# KiCad board ChunkyV2.kicad_pcb (continued)
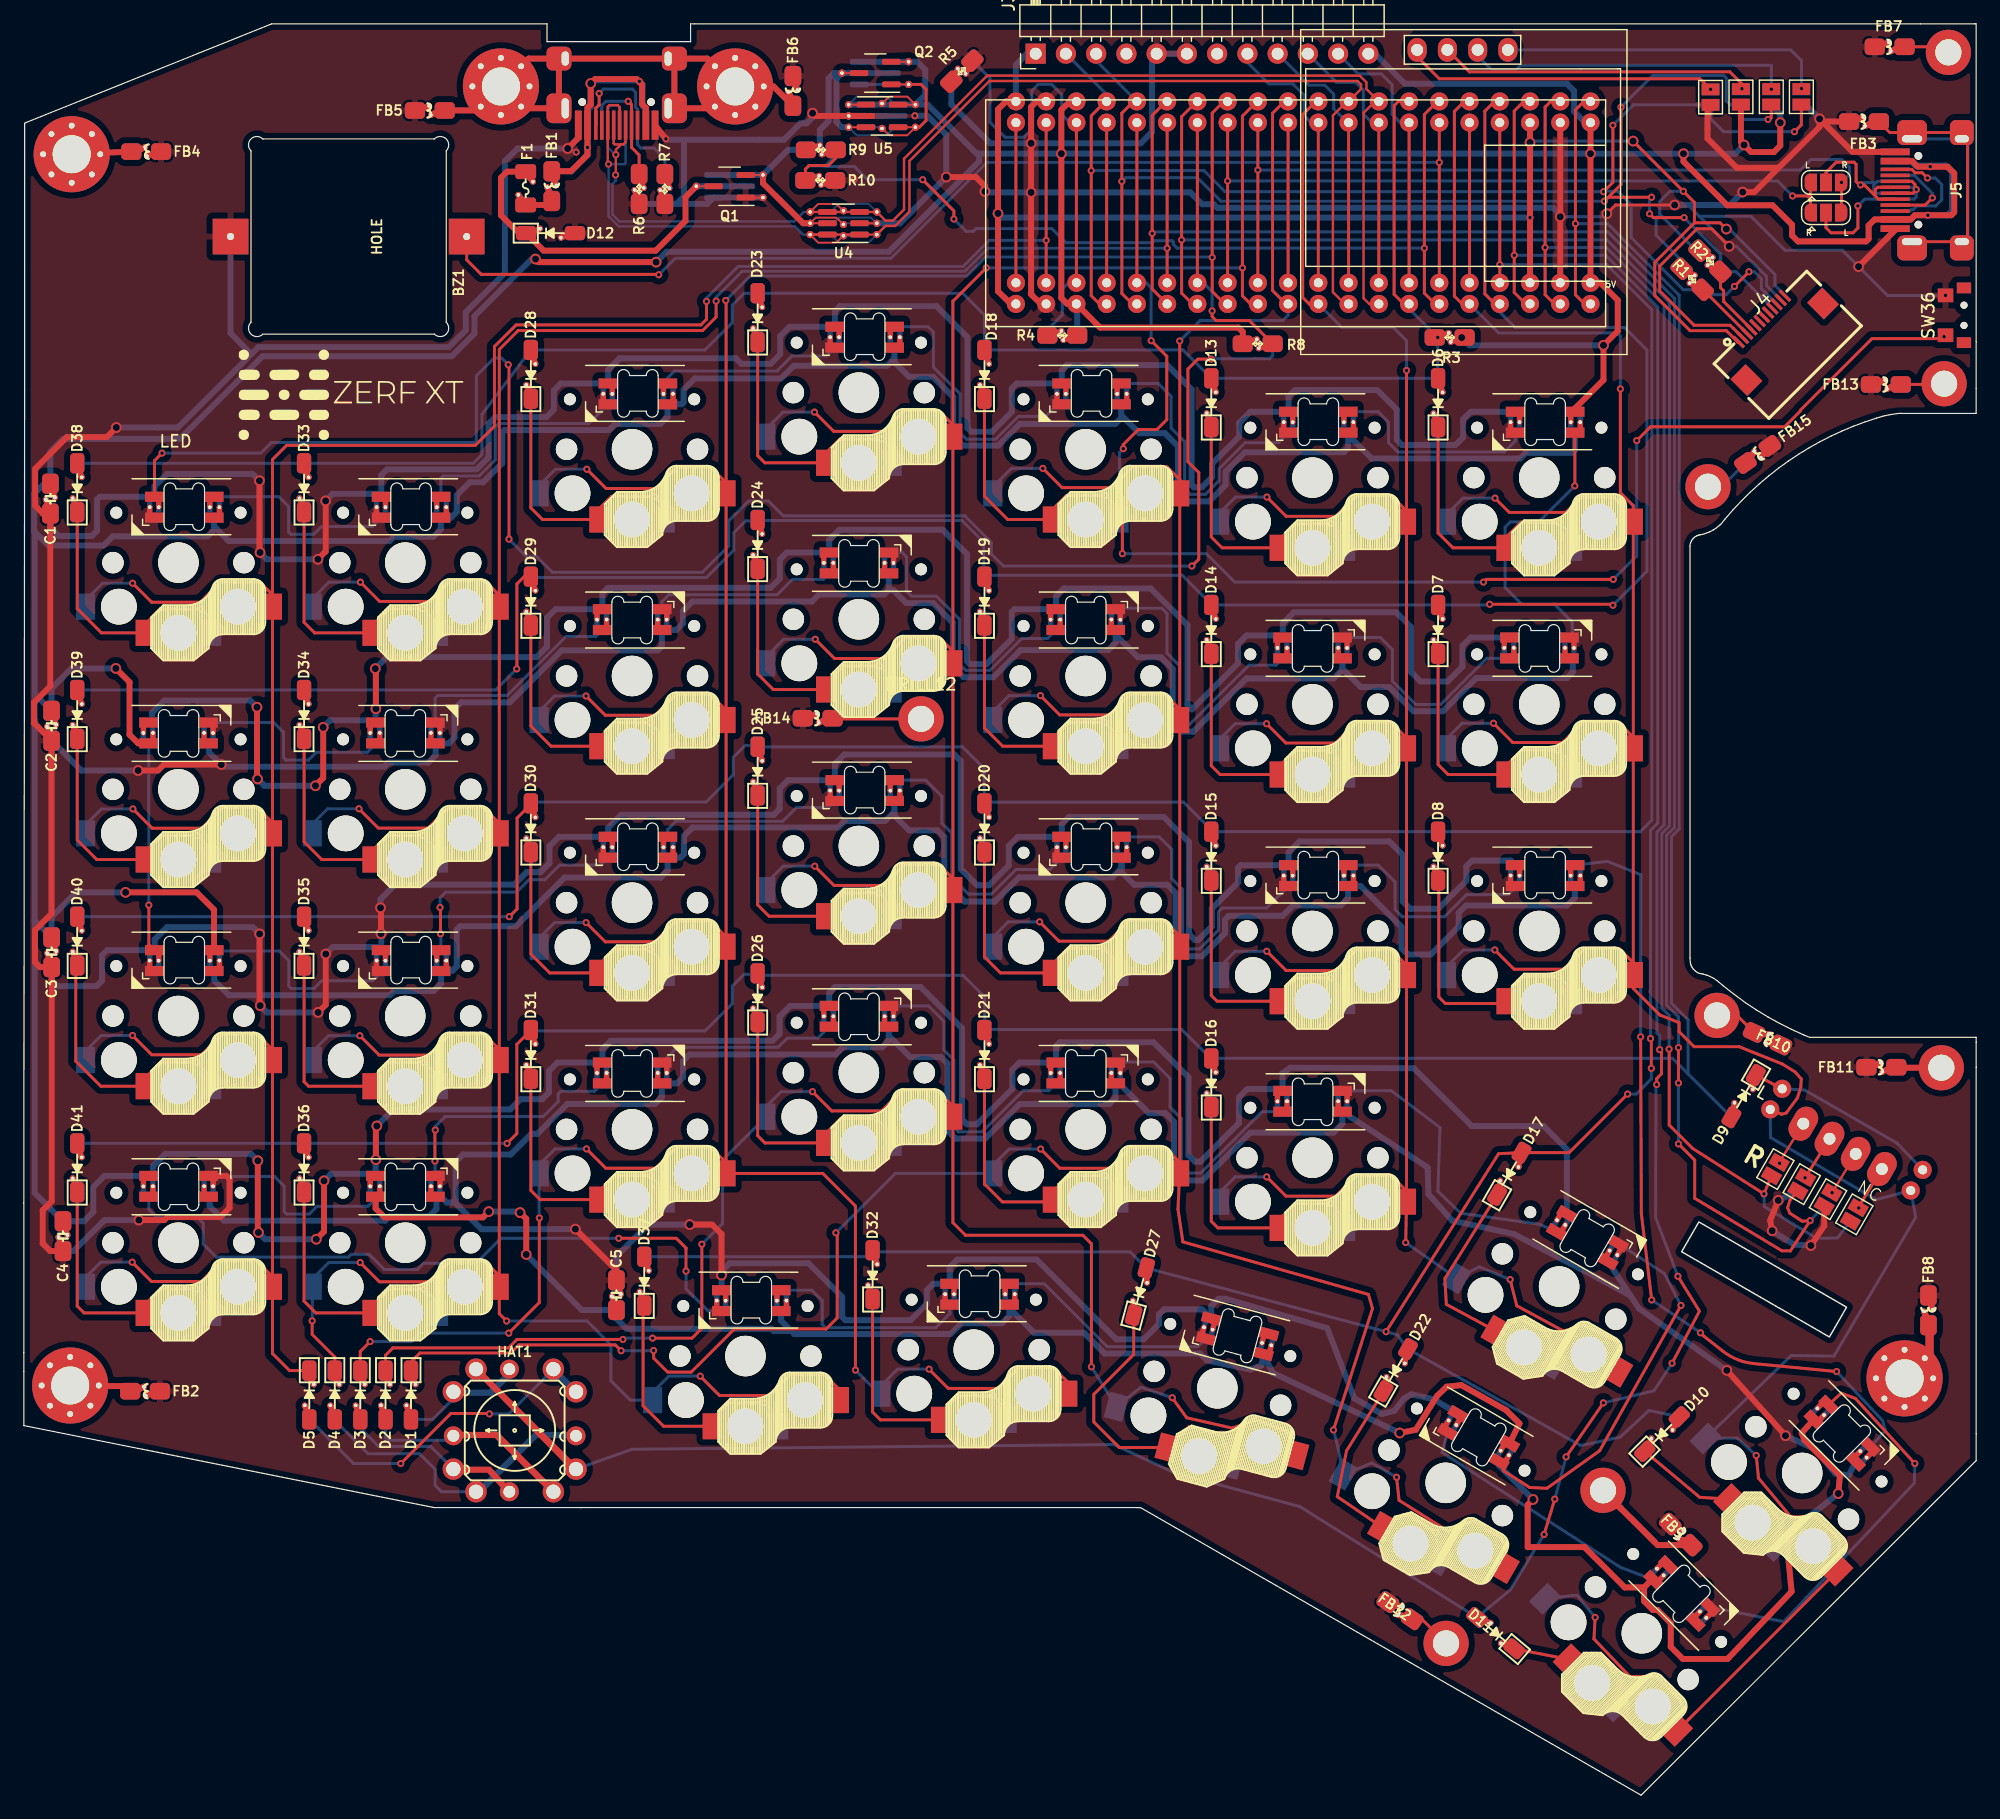
[diagram p0: board, top side]
## Routing (per net, layer and track width the routed paths; a pad name or vN(x,y) marks a point on that pad's centre or on a via; arc(x,y) is an arc through that point) (continued)
DD1: length 17.1
  Top w0.25: 155.5,134.4 155.5,134.92 155.7,135.12 J5.A7 ; JP25.2 151.37,136.37 152.23,137.23 153.72,137.23 153.9,137.05 153.9,135.6 154.18,135.32 v2(154.27,135.32) 154.58,135.32 155.78,134.12 J5.B7
  Bottom w0.25: v2(154.27,135.32) 154.47,135.52 155.57,135.52 ; J5.B7 155.68,135.62 155.57,135.52 ; 155.57,135.52 155.38,135.32 155.38,134.82 155.58,134.62 J5.A7
DD2: length 17.9
  Top w0.25: JP26.2 151.37,131.72 151.8,131.29 153.64,131.29 154.05,131.7 v2(154.05,133.55) ; J5.B6 158.59,135.62 158.85,135.36 158.85,134.79 158.68,134.62 J5.A6
  Bottom w0.25: v2(154.05,133.55) 154.62,134.12 J5.B6 158.77,134.12 158.95,134.3 v2(158.95,134.93) 158.76,135.12 J5.A6
ENCA: length 152.5
  Top w0.25: U3.14 98.15,125.32 97.25,126.23 v2(97.25,130.7) 97.25,141.06 98.52,142.34 U3.14 ; JP20.2 v2(146.16,50.53) 140.18,54.34 138.2,56.32 138.2,62.69 v2(138.19,62.7)
  Bottom w0.25: v2(146.16,50.53) 146.19,49.46 150.6,46.79 152.33,46.83 JP19.2 ; v2(97.25,130.7) 132.97,130.7 138.23,125.44 138.23,81.46 137.58,80.81 137.58,66.15 138.19,65.54 v2(138.19,62.7)
ENCB: length 159.3
  Top w0.25: 149,50.79 148.35,50.01 148.14,49.36 148.34,48.9 149.38,48.23 v2(150.04,48.28) 148.38,45.74 147.68,45.74 140.34,50.16 140.34,53.37 v2(138.98,54.73) ; U3.15 94.78,126.57 v2(94.78,131.25) 94.78,141.16 95.95,142.34 U3.15 ; v2(138.98,62.82) v2(138.98,59.85)
  Bottom w0.25: v2(94.78,131.25) 94.9,131.37 133.05,131.37 138.64,125.78 138.64,81.33 137.98,80.67 137.98,66.4 138.98,65.4 v2(138.98,62.82) ; JP22.2 v2(150.04,48.28) ; v2(138.98,54.73) v2(138.98,59.85)
LED: length 168.5
  Top w0.25: R8.1 102.94,123.92 100.14,123.92 99.81,124.25 v2(99.81,124.73) ; v2(40.75,105.55) 40.75,120.15 v2(40.69,120.21) ; U3.27 U3.27 ; v2(98.11,103.29) 98.69,103.87 98.69,111.15 97.78,112.06 97.78,119.85 98.61,120.68 v2(99.73,120.68) ; v2(11.61,112.78) 10.98,112.15 SW32.4
  Bottom w0.25: v2(40.75,105.55) 42.23,104.07 43.09,104.07 44.39,102.77 57,102.77 59.21,104.98 59.21,107.09 60.87,108.75 62.55,108.75 63.79,107.51 79.03,107.51 81.26,105.28 81.26,104.31 82.28,103.29 v2(98.11,103.29) ; v2(11.61,112.78) 19.91,112.78 20.8,113.67 38.01,113.67 38.01,119.27 39.51,120.77 40.13,120.77 v2(40.69,120.21) ; R8.1 104.89,120.97 104.63,120.71 99.76,120.71 v2(99.73,120.68) ; U3.27 99.07,127.1 99.81,126.35 v2(99.81,124.73)
M: length 3.8
  Top w0.25: SW5.A JP23.1
  vias: v2(154.12,49.35)
MISO: length 22.5
  Top w0.25: U3.32 U3.32
  Bottom w0.25: U3.32 111.17,140.56 110.02,141.71 110.02,142.95 109.27,143.7 107.96,143.7 J3.9
MOSI: length 23
  Top w0.25: U3.33 U3.33
  Bottom w0.25: U3.33 113.23,140.56 112.51,141.28 112.51,143.29 111.85,143.95 110.25,143.95 J3.10
N: length 3.8
  Top w0.2: SW5.B v2(151.88,50.63)
O: length 3.9
  Top w0.25: SW5.C v2(149.61,51.88)
P: length 3.8
  Top w0.2: SW5.D JP20.1
  vias: v2(147.47,53.1)
PLUG: length 81.4
  Top w0.25: R9.2 68.2,137.58 67.57,136.95 65.95,136.95 65.64,136.64 R10.1 ; U3.6 118.73,142.34 117.63,141.24 v2(117.63,130) 117.63,126.23 118.54,125.32 U3.6 ; v2(75.5,135.76) 78.12,133.14 v2(78.12,132.45)
  Bottom w0.25: 67.29,136.92 67.34,136.87 69.75,136.87 70.86,135.76 v2(75.5,135.76) ; 67.29,136.92 68.2,137.82 R9.2 ; 67.29,136.92 65.94,136.92 65.64,136.63 R10.1 ; v2(117.63,130) 96.87,130 96.55,130.32 96.55,130.54 96.45,130.64 94.96,130.64 94.78,130.46 87.53,130.46 86.34,131.65 79.98,131.65 79.75,131.42 79.15,131.42 v2(78.12,132.45)
RESET: length 124.8
  Top w0.25: v2(94.69,122.23) 96,120.92 96,115.59 95.17,114.76 93.61,114.76 92.35,113.5 v2(92.35,113.15) ; v2(133.5,102.17) 122.83,102.17 v2(122.6,101.94) ; U3.25 U3.25 ; v2(92.27,104.33) 92.27,109.05 v2(92.03,109.29) ; v2(135.47,113.83) 136.63,114.99 147.89,114.99 149.22,116.32 149.22,116.39 155.23,122.4 161.12,122.4 v2(161.29,122.56) SW36.2
  Bottom w0.25: U3.25 94.27,127.1 94.69,126.67 v2(94.69,122.23) ; v2(135.47,113.83) 135.47,104.14 v2(133.5,102.17) ; v2(122.6,101.94) 101.71,101.94 99.32,104.33 v2(92.27,104.33) ; v2(92.03,109.29) 92.03,112.83 v2(92.35,113.15)
row0: length 154.3
  Top w0.25: U3.7 115.9,125.32 115.09,126.13 115.09,141.99 115.45,142.34 U3.7
  Bottom w0.25: D38.2 D33.2 37.75,111.93 38.48,112.66 38.48,116.04 D28.2 57.21,121.45 59.51,123.75 59.51,125.22 60.51,126.22 D23.2 78.85,126.22 80.69,124.38 D18.2 97.36,121.45 D13.2 D6.2 118.76,119.1 v2(118.76,122.5) 116.35,124.91 U3.7
row1: length 200.2
  Top w0.25: 41.42,94.66 41.42,101.79 42.03,102.4 D29.2 ; U3.4 123.53,142.34 122.72,141.52 122.72,126.17 123.56,125.32 U3.4 ; v2(123.12,100.08) 133.39,100.08 v2(133.47,100)
  Bottom w0.25: U3.4 123.97,124.63 125.26,123.34 134.44,123.34 136.33,121.45 136.33,102.86 v2(133.47,100) ; 61.58,107.12 78.8,107.12 80.63,105.29 80.63,102.36 ; 42.71,102.33 57.34,102.33 59.63,104.62 59.63,106.09 60.63,107.09 61.76,107.09 ; 99.67,100.14 97.29,102.52 80.62,102.52 ; D14.2 D7.2 123.06,100.02 v2(123.12,100.08) ; D39.2 D34.2 39.64,92.88 39.67,92.92 39.67,92.93 v2(41.4,94.65)
row2: length 219.3
  Top w0.25: U3.37 v2(123.97,128.61) U3.37 ; v2(40.78,73.83) 41.43,74.48 41.43,82.11 42.59,83.27 D30.2
  Bottom w0.25: D40.2 D35.2 v2(40.78,73.83) ; 80.74,83.45 97.41,83.45 99.79,81.07 ; v2(123.97,128.61) 132.96,128.61 136.74,124.83 136.74,81.94 135.77,80.97 D8.2 D15.2 ; 61.62,88.09 78.84,88.09 80.67,86.26 80.67,83.33 ; 61.72,88.22 60.59,88.22 59.59,87.22 59.59,85.75 57.3,83.46 42.67,83.46
row3: length 253
  Top w0.25: D31.2 42.59,64.28 41.41,63.1 41.41,55.6 v2(40.59,54.78) ; U3.1 131.03,142.34 130.32,141.63 v2(130.32,132.07) 130.32,126.09 131.09,125.32 U3.1
  Bottom w0.25: D9.2 138.47,61.92 D16.2 ; 139.05,81.2 138.39,80.54 138.39,66.55 139.79,65.16 139.79,60.61 ; D41.2 D36.2 v2(40.59,54.78) ; 61.64,68.99 60.51,68.99 59.51,67.99 59.51,66.52 57.22,64.23 42.59,64.23 ; v2(130.32,132.07) 133.01,132.07 139.04,126.04 139.04,81.19 ; 99.64,61.96 97.26,64.34 80.59,64.34 ; 61.66,68.9 78.88,68.9 80.71,67.07 80.71,64.14
row4: length 223
  Top w0.25: U3.3 125.99,142.34 125.19,141.53 v2(125.19,129.41) 125.19,126.28 126.14,125.32 U3.3 ; v2(136.7,61.08) 136.7,63.52 v2(136.63,63.59) ; v2(114.42,38.95) 123.87,53.91 D17.2 129.79,54 v2(134.71,58.92)
  Bottom w0.25: v2(134.71,58.92) 135.43,58.92 136.7,60.19 v2(136.7,61.08) ; D37.2 70.75,45.25 D32.2 71.42,45.66 92.92,45.66 D27.2 v2(114.42,38.95) 115.35,38.7 D22.2 130.77,29.38 134.08,30.09 136.5,32.33 D10.2 ; v2(125.19,129.41) 132.87,129.41 137.24,125.03 137.24,81.7 136.63,81.09 v2(136.63,63.59)
row5: length 229.8
  Top w0.25: v2(127.69,21.91) v2(128.59,24.88) ; U3.2 128.24,142.34 127.78,141.87 v2(127.78,130.06) 127.78,126.1 128.55,125.32 U3.2 ; v2(129.54,28.43) v2(132.67,32.97) ; v2(137.15,59.72) 137.15,60.22 137.55,60.62 137.55,62.5 v2(137.4,62.65) ; v2(138.93,43.61) 140.74,40.68 v2(138.44,36.3)
  Bottom w0.25: v2(127.69,21.91) 124.84,17.25 D11.2 107.18,24.25 96.53,27.14 91.54,29.47 51.08,29.07 HAT1.4 ; v2(137.4,62.65) 137.4,63.82 137.17,64.05 137.17,80.94 137.77,81.54 137.77,125.21 132.93,130.06 v2(127.78,130.06) ; v2(138.93,43.61) 137.06,48.54 137.09,57.27 137.09,59.66 v2(137.15,59.72) ; v2(128.59,24.88) v2(129.54,28.43) ; v2(138.44,36.3) 136.93,33.99 v2(132.67,32.97)
SCK: length 23.3
  Top w0.25: U3.31 U3.31
  Bottom w0.25: J3.8 102.77,145.61 104.57,143.81 106.58,143.81 107.54,142.85 107.54,141.15 108.13,140.56 U3.31
SCL: length 117.5
  Top w0.25: v2(134.15,141.85) 134.15,135.35 v2(132.75,133.95) ; JP6.2 146.78,140.96 146.64,140.82 v2(146.5,140.82) ; U3.16 93.1,125.32 92.22,126.2 v2(92.22,135.62) 92.22,141.35 93.21,142.34 U3.16 ; 145.1,123.17 145.1,123.19 142.77,125.52 142.77,126.42 142.51,126.68 R2.1 ; v2(136.72,134.28) 133.08,134.28 ; v2(139.45,132.57) 136.88,132.57 v2(136.55,132.9)
  Bottom w0.25: v2(132.75,133.95) 100.54,133.95 98.57,135.92 92.53,135.92 v2(92.22,135.62) ; J3.3 90.07,145.76 U3.16 ; v2(136.55,132.9) 136.55,134.11 v2(136.72,134.28) ; v2(134.15,141.85) 136.81,144.51 142.78,144.51 142.99,144.3 142.99,142.38 143.32,142.05 JP3.2 144.19,141.05 144.42,140.82 v2(146.5,140.82) ; 146.92,124.92 143.81,128.03 R2.1 142.51,129.51 v2(139.45,132.57)
SDA: length 121.2
  Top w0.25: R1.1 141.05,126.52 144.75,122.82 ; U3.17 90.34,125.32 89.66,126.01 89.66,141.13 90.86,142.34 U3.17 ; v2(143.68,126.79) 143.68,126.8 v2(144.9,128.02) ; v2(132.69,134.75) 133.47,135.53 v2(133.47,140.33) ; JP5.2 149.3,140.37 v2(148.72,139.79)
  Bottom w0.25: U3.17 90.95,142.93 J3.2 ; v2(143.68,126.79) 142.98,126.09 141.43,126.09 R1.1 139.38,126.52 135,130.9 135,133.67 133.87,134.79 132.73,134.79 v2(132.69,134.75) 100.89,134.75 99.12,136.53 v2(89.66,136.53) ; 147.27,125.27 145.94,126.61 145.94,127.44 145.36,128.02 v2(144.9,128.02) ; v2(148.72,139.79) 142.76,139.79 141.66,140.89 JP4.2 135.19,142.05 v2(133.47,140.33)
SHIELD: length 52.5
  Top w0.5: DRILL5.1 57.91,141.76 USB1.S1 USB1.S1 USB1.S1 ; DRILL5.1 57.41,145.94 USB1.S1 ; DRILL5.1 62.97,143.6 FB6.1 ; FB5.1 38.06,141.58 DRILL4.1 ; DRILL4.1 42.42,145.94 44.94,145.94 44.94,141.76 41.92,141.76 DRILL4.1
SPLIT_HAND: length 38.9
  Top w0.25: U3.23 U3.23
  Bottom w0.25: U3.23 87.86,140.56 87.18,141.25 87.18,142.92 86.32,143.77 85.2,143.77 84.68,143.25 84.68,140.02 83.97,139.32 82.43,139.32 81.15,140.59 81.15,144.28 79.67,145.76 ; R4.2 85.97,123.14 87.22,124.4 87.22,126.57 87.75,127.1 U3.23
USART3_RX: length 67.9
  Top w0.25: v2(152.67,135.53) JP26.3 ; U3.29 v2(103.65,136.57) U3.29
  Bottom w0.25: v2(103.65,136.57) 149.22,136.57 150.1,137.45 152.7,137.45 153.34,136.81 153.34,136.2 v2(152.67,135.53)
USART3_TX: length 65.6
  Top w0.25: U3.28 v2(101.11,135.65) U3.28 ; 150.07,134.14 149.82,134.39 v2(148.56,134.39) ; 150.07,134.14 JP25.1 ; 150.07,134.14 JP26.1
  Bottom w0.25: v2(101.11,135.65) 147.3,135.65 v2(148.56,134.39)
V_USB: length 35.7
  Top w0.5: FB1.2 45.96,136.47 47.34,137.86 v2(47.34,138.47) USB1.A4 47.34,141.81 47.62,142.09 47.62,142.09 v1(47.62,143.84) 48,144.22 51.47,144.22 51.92,143.76 51.92,142.13 52.25,141.81 USB1.A4
  Bottom w0.5: USB1.A4 52.25,141.7 51.97,141.97 51.97,143.76 v2(51.7,144.03) 51.62,144.11 47.89,144.11 v1(47.62,143.84) 47.61,143.82 47.61,141.86 47.34,141.6 USB1.A4 v2(47.34,138.47) 47.34,137.82 46,136.47 FB1.2
Net-(D1-Pad2): length 4.9
  Bottom w0.25: HAT1.1 36.08,33.32 34.34,31.58 D1.2
Net-(D2-Pad2): length 7.5
  Bottom w0.25: D2.2 30.38,30.07 30.62,29.83 35.71,29.83 HAT1.2
Net-(D3-Pad2): length 10
  Bottom w0.25: HAT1.3 34.17,29.31 29.8,29.31 28.26,30.85 D3.2
Net-(D4-Pad2): length 15.2
  Bottom w0.25: D4.2 26.12,31.49 28.91,28.7 33.23,28.7 34.55,27.38 34.55,26.03 35.08,25.5 HAT1.5
Net-(D5-Pad2): length 25.4
  Top w0.25: v2(31.66,27.87) 35.87,32.08 39.07,32.08 v2(39.11,32.04)
  Bottom w0.25: v2(31.66,27.87) 27.69,27.87 D5.2 ; HAT1.6 40.72,32.04 v2(39.11,32.04)
Net-(D6-Pad1): length 23.6
  Top w0.25: D6.1 118.79,106.07 120.04,104.82 SW1.5 124.49,105.71 125.75,106.97 v2(128.96,106.97)
  Bottom w0.25: SW1.5 130.09,105.84 v2(128.96,106.97)
Net-(D7-Pad1): length 23.5
  Top w0.25: 124.47,85.81 124.47,86.48 125.83,87.84 v2(128.82,87.84) ; SW2.5 119.63,85.77 118.79,86.61 D7.1
  Bottom w0.25: v2(128.82,87.84) 130.07,86.59 130.07,85.81
Net-(D8-Pad1): length 23.9
  Top w0.25: D8.1 118.85,76.81 118.85,67.08 119.4,66.53 124.3,66.53 SW3.5 ; v2(128.93,68.79) 125.94,68.79 124.58,67.43 124.58,66.76
  Bottom w0.25: v2(128.93,68.79) 130.18,67.54 130.18,66.76
Net-(D9-Pad1): length 16.4
  Top w0.25: SW5.S1 D9.1
  Bottom w0.25: SW5.S1 149.57,59.26 157.33,54.8 SW5.S1
Net-(D10-Pad1): length 15.9
  Top w0.25: D10.1 140.77,25.03 SW4.5 145.99,24.97 v2(147.55,23.05)
  Bottom w0.25: SW4.5 v2(147.55,23.05)
Net-(D11-Pad1): length 12.4
  Top w0.25: v2(133.53,10.53) 132.45,11.74 131.69,11.74 SW6.5 D11.1
  Bottom w0.25: SW6.5 134.24,9.56 v2(133.53,10.53)
Net-(D13-Pad1): length 23.4
  Top w0.25: D13.1 99.74,105.73 100.65,104.82 SW7.5 105.44,105.49 106.8,106.85 v2(109.79,106.85)
  Bottom w0.25: v2(109.79,106.85) 111.04,105.6 SW7.5
Net-(D14-Pad1): length 23.5
  Top w0.25: SW8.5 100.48,85.77 99.74,86.51 D14.1 ; 105.41,85.77 105.41,86.44 106.77,87.8 v2(109.76,87.8)
  Bottom w0.25: v2(109.76,87.8) 111.01,86.55 111.01,85.77
Net-(D15-Pad1): length 23.7
  Top w0.25: SW9.5 100.23,66.72 99.74,67.21 D15.1 ; 105.43,66.65 105.43,67.32 106.79,68.68 v2(109.78,68.68)
  Bottom w0.25: v2(109.78,68.68) 111.03,67.43 111.03,66.65
Net-(D16-Pad1): length 24
  Top w0.25: v2(109.77,49.72) 106.78,49.72 105.42,48.36 105.42,47.69 ; SW10.5 100.3,47.67 99.74,48.23 D16.1
  Bottom w0.25: v2(109.77,49.72) 111.02,48.47 111.02,47.69
Net-(D17-Pad1): length 22.7
  Top w0.25: D17.1 119.36,43.41 119.48,41.25 SW11.5 125.66,40.01 v2(128.03,38.81)
  Bottom w0.25: v2(128.03,38.81) SW11.5
Net-(D18-Pad1): length 23
  Top w0.25: D18.1 80.69,109.15 82.64,107.2 SW12.5 86.39,108.03 87.59,109.23 v2(90.85,109.23)
  Bottom w0.25: SW12.5 91.99,108.09 v2(90.85,109.23)
Net-(D19-Pad1): length 23.1
  Top w0.25: v2(90.77,90.16) 87.78,90.16 86.42,88.8 86.42,88.13 ; SW13.5 82.22,88.15 80.69,89.68 D19.1
  Bottom w0.25: v2(90.77,90.16) 92.02,88.91 92.02,88.13
Net-(D20-Pad1): length 23.2
  Top w0.25: 86.35,69.12 86.35,69.79 87.71,71.15 v2(90.7,71.15) ; SW14.5 82.03,69.1 80.69,70.44 D20.1
  Bottom w0.25: v2(90.7,71.15) 91.95,69.9 91.95,69.12
Net-(D21-Pad1): length 23.4
  Top w0.25: 86.43,50.03 86.43,50.7 87.79,52.06 v2(90.78,52.06) ; D21.1 80.69,51.36 82.19,49.86 86.19,49.86 SW15.5
  Bottom w0.25: v2(90.78,52.06) 92.03,50.81 92.03,50.03
Net-(D22-Pad1): length 22
  Top w0.25: v2(118.62,22.08) 116.33,23.57 115.9,23.55 SW16.5 110.32,25.09 111.1,28.94 D22.1
  Bottom w0.25: v2(118.62,22.08) SW16.5
Net-(D23-Pad1): length 24.3
  Top w0.25: D23.1 61.64,112.56 62.23,111.97 SW17.5 67.34,112.77 68.53,113.96 v2(72.02,113.96)
  Bottom w0.25: SW17.5 72.94,113.04 v2(72.02,113.96)
Net-(D24-Pad1): length 23.2
  Top w0.25: v2(71.85,94.9) 68.86,94.9 67.5,93.54 67.5,92.87 ; SW18.5 62.94,92.92 61.64,94.22 D24.1
  Bottom w0.25: v2(71.85,94.9) 73.1,93.65 73.1,92.87
Net-(D25-Pad1): length 23.4
  Top w0.25: v2(71.81,75.83) 68.82,75.83 67.46,74.47 67.46,73.8 ; SW19.5 62.59,73.87 61.64,74.82 D25.1
  Bottom w0.25: v2(71.81,75.83) 73.06,74.58 73.06,73.8
Net-(D26-Pad1): length 23.6
  Top w0.25: D26.1 61.64,55.42 62.24,54.82 SW20.5 ; 67.27,54.85 67.27,55.52 68.63,56.88 v2(71.62,56.88)
  Bottom w0.25: v2(71.62,56.88) 72.87,55.63 72.87,54.85
Net-(D27-Pad1): length 25.5
  Top w0.25: D27.1 93.22,37.04 89.87,33.69 89.87,31.37 92.02,29.22 SW21.5 96.11,29.22 97.88,30.99 v2(100.6,30.33)
  Bottom w0.25: v2(100.6,30.33) SW21.5
Net-(D28-Pad1): length 23.6
  Top w0.25: D28.1 42.59,108.18 43.57,107.2 SW22.5 48.29,108.08 49.36,109.15 v2(52.95,109.15)
  Bottom w0.25: v2(52.95,109.15) 53.89,108.21 SW22.5
Net-(D29-Pad1): length 23
  Top w0.25: v2(52.6,90.13) 49.61,90.13 48.25,88.77 48.25,88.1 ; SW23.5 44.29,88.15 42.59,89.85 D29.1
  Bottom w0.25: v2(52.6,90.13) 53.85,88.88 53.85,88.1
Net-(D30-Pad1): length 23
  Top w0.25: SW24.5 44.18,69.1 42.59,70.69 D30.1 ; v2(52.6,71.09) 49.61,71.09 48.25,69.73 48.25,69.06
  Bottom w0.25: v2(52.6,71.09) 53.85,69.84 53.85,69.06
Net-(D31-Pad1): length 23.5
  Top w0.25: SW25.5 43.36,50.05 42.59,50.82 D31.1 ; 48.29,50.04 48.29,50.71 49.65,52.07 v2(52.64,52.07)
  Bottom w0.25: 53.89,50.04 53.89,50.82 v2(52.64,52.07)
Net-(D32-Pad1): length 23.6
  Top w0.25: D32.1 71.29,32.2 71.95,31.54 SW26.5 ; 77.06,31.53 77.06,32.2 78.42,33.56 v2(81.41,33.56)
  Bottom w0.25: 82.66,31.53 82.66,32.31 v2(81.41,33.56)
Net-(D33-Pad1): length 23.4
  Top w0.25: v2(33.5,99.7) 30.66,99.7 29.24,98.28 SW27.5 24.42,97.68 23.54,98.56 D33.1
  Bottom w0.25: SW27.5 34.84,98.36 v2(33.5,99.7)
Net-(D34-Pad1): length 23.1
  Top w0.25: 29.18,78.62 29.18,79.29 30.54,80.65 v2(33.53,80.65) ; SW28.5 25.03,78.63 23.54,80.12 D34.1
  Bottom w0.25: v2(33.53,80.65) 34.78,79.4 34.78,78.62
Net-(D35-Pad1): length 23.8
  Top w0.25: SW29.5 23.92,59.58 23.54,59.96 D35.1 ; v2(33.6,61.58) 30.61,61.58 29.25,60.22 29.25,59.55
  Bottom w0.25: v2(33.6,61.58) 34.85,60.33 34.85,59.55
Net-(D36-Pad1): length 23.4
  Top w0.25: v2(33.63,42.52) 30.64,42.52 29.28,41.16 29.28,40.49 ; 23.54,50.68 23.54,41.52 24.53,40.53 SW30.5
  Bottom w0.25: 34.88,40.49 34.88,41.27 v2(33.63,42.52)
Net-(D37-Pad1): length 23.1
  Top w0.25: 57.84,30.94 57.84,31.61 59.2,32.97 v2(62.19,32.97) ; SW31.5 53.74,31 52.01,32.73 52.01,41.05 D37.1
  Bottom w0.25: v2(62.19,32.97) 63.44,31.72 63.44,30.94
Net-(D38-Pad1): length 23
  Top w0.25: v2(14.89,99.67) 11.45,99.67 10.19,98.41 SW32.5 6.52,97.68 4.49,99.71 D38.1
  Bottom w0.25: v2(14.89,99.67) 15.79,98.77 SW32.5
Net-(D39-Pad1): length 23
  Top w0.25: v2(14.54,80.64) 11.55,80.64 10.19,79.28 10.19,78.61 ; SW33.5 6.13,78.63 4.49,80.27 D39.1
  Bottom w0.25: 15.79,78.61 15.79,79.39 v2(14.54,80.64)
Net-(D40-Pad1): length 22.9
  Top w0.25: 10.16,59.57 10.16,60.24 11.52,61.6 v2(14.51,61.6) ; D40.1 4.36,69.6 4.36,61.69 6.47,59.58 SW34.5
  Bottom w0.25: v2(14.51,61.6) 15.76,60.35 15.76,59.57
Net-(D41-Pad1): length 23.6
  Top w0.25: 10.13,40.52 10.13,41.19 11.49,42.55 v2(14.48,42.55) ; 4.49,50.68 4.49,41.1 5.06,40.53 SW35.5
  Bottom w0.25: 15.73,40.52 15.73,41.3 v2(14.48,42.55)
Net-(FB3-Pad1): length 34.3
  Top w0.25: J5.S1 163.26,138.71 163.26,131.03 J5.S1 J5.S1 ; J5.S1 J5.S1 156.73,139.72 FB3.1
  Bottom w0.25: J5.S1 J5.S1 163.28,138.69 163.28,130.52 J5.S1
Net-(J1-Pad1): length 26.4
  Top w0.25: J1.1 117.03,146.1 118.89,144.24 140.78,144.24 JP8.1
  vias: v2(141.68,143.35)
Net-(J1-Pad2): length 26.3
  Top w0.25: v2(144.31,143.4) 144.31,143.81 143.3,144.82 121.42,144.82 J1.2
Net-(J1-Pad3): length 27.9
  Bottom w0.25: J1.3 122.11,146.16 123.34,144.93 125.28,144.93 125.72,145.37 146.78,145.37 v2(146.78,143.36)
Net-(J1-Pad4): length 27.4
  Bottom w0.25: v2(149.31,143.42) 149.31,145.76 148.4,146.67 J1.4
Net-(Q2-Pad1): length 9.5
  Top w0.25: Q2.1 75.35,143.77 75.78,143.34 75.78,140.74 75.22,140.17 74.88,140.17
  Bottom w0.25: Q2.1 Q2.1
Net-(SW1-Pad2): length 25.1
  Top w0.25: v2(130.27,110.03) 130.28,110.04 SW1.2
  Bottom w0.25: SW2.4 130.06,97.55 130.06,98.58 128.55,100.09 125.81,100.09 124.42,101.48 124.42,106.56 124.86,107 127.24,107 v2(130.27,110.03)
Net-(SW1-Pad4): length 17.5
  Bottom w0.25: SW1.4 125.28,113.81 124.34,112.87 115.43,112.87 114.62,113.68 114.62,115.39 113.75,116.26 SW7.2
Net-(SW2-Pad2): length 19.5
  Bottom w0.25: SW2.2 122.89,95.54 119.01,91.66 116.9,91.66 114.95,93.61 114.95,96.27 113.93,97.29 SW8.4
Net-(SW3-Pad2): length 67.1
  Top w0.25: v2(136.73,41.62) 135.86,48.89 v2(135.8,63.73) ; v2(140.83,38.86) 141.14,38.55 142.71,37.32 arc(143.94,36.61) 145.32,36.27 v2(152.26,35.6)
  Bottom w0.25: SW4.4 156.35,30.65 156.13,31.47 v2(152.26,35.6) ; v2(135.8,63.73) 135.81,77.35 133.02,78.47 SW3.2 ; v2(140.83,38.86) v2(136.73,41.62)
Net-(SW3-Pad4): length 18.4
  Bottom w0.25: SW3.4 125.28,76.28 124.68,75.68 121.18,75.68 119.32,73.82 115.78,73.82 115.18,74.42 115.18,76.75 113.77,78.16 SW9.2
Net-(SW4-Pad2): length 34.1
  Top w0.25: SW4.2 152.65,33.79 153.84,33.34 v2(158.83,27.87)
  Bottom w0.25: SW6.4 147.82,14.58 158.79,26.23 v2(158.83,27.87)
Net-(SW10-Pad2): length 24
  Bottom w0.25: SW10.2 104.01,57.44 98.85,52.28 97.52,52.28 97.23,52.57 97.23,56.86 96.27,57.82 96.27,60.24 94.89,61.62 91.75,61.62 SW15.4
Net-(SW10-Pad4): length 25.5
  Bottom w0.25: SW11.2 127.33,47.97 120.68,48.91 118.77,50.75 118.95,56.11 114.85,59.21 SW10.4
Net-(SW11-Pad4): length 32
  Top w0.25: v2(139.19,41.16) 132.36,28.95 127.93,25.79 126.48,25.86 124.32,27.24 SW16.2
  Bottom w0.25: SW11.4 137.79,43.84 v2(139.19,41.16)
Net-(SW12-Pad2): length 24.5
  Bottom w0.25: SW7.4 105.38,113.66 102.59,113.66 100.4,111.47 100.4,110.47 99.25,109.32 97.97,109.32 97.51,109.78 97.51,113.74 96.37,114.88 96.37,117.54 95.27,118.64 SW12.2
Net-(SW12-Pad4): length 22.8
  Bottom w0.25: SW12.4 86.84,116.89 85.82,115.87 83.54,115.87 81.62,113.95 79.17,113.95 78.64,114.48 78.64,117.76 76.4,120 76.4,122.95 75.95,123.4 SW17.2
Net-(SW13-Pad2): length 23.4
  Bottom w0.25: SW13.2 85.99,97.21 83.83,97.21 81.15,94.53 79.11,94.53 78.59,95.05 78.59,98.82 76.65,100.76 74.57,100.76 74.15,101.18 74.15,104.05 73.77,104.43 SW18.4
Net-(SW13-Pad4): length 25.1
  Bottom w0.25: SW8.2 105.17,94.96 102.9,94.96 97.91,89.97 97.39,89.97 97.07,90.29 97.07,94.92 96.02,95.97 96.02,99.31 95.58,99.75 91.78,99.75 SW13.4
Net-(SW14-Pad2): length 25.2
  Bottom w0.25: SW14.2 95.36,80.54 96.41,79.49 96.41,77.03 97.33,76.11 97.33,71.7 97.3,71.67 97.3,71.57 97.75,71.12 98.76,71.12 100.35,72.71 100.35,74.25 100.65,74.55 104.37,74.55 SW9.4
Net-(SW14-Pad4): length 22.8
  Bottom w0.25: SW19.2 75.75,85.3 77.11,83.94 77.11,81.68 77.93,80.86 77.93,77.14 79.34,75.73 81.28,75.73 83.34,77.79 86.18,77.79 SW14.4
Net-(SW15-Pad2): length 24.8
  Bottom w0.25: SW15.2 86.08,59.2 83.95,59.2 80.5,55.75 78.51,55.75 78.12,56.14 78.12,61.77 77.28,62.61 77.28,65.03 75.98,66.33 SW20.4
Net-(SW16-Pad4): length 22.6
  Bottom w0.25: SW6.2 134.12,19.14 119.12,28.8 SW16.4
Net-(SW17-Pad4): length 15.6
  Bottom w0.25: SW17.4 67.43,120.95 64.53,120.95 63.26,119.68 54.66,119.68 54.08,119.1 SW22.2
Net-(SW18-Pad2): length 15.7
  Bottom w0.25: SW18.2 67.14,102.17 64.56,102.17 63.27,100.88 54.18,100.88 53.6,100.3 SW23.4
Net-(SW19-Pad4): length 15.7
  Bottom w0.25: SW19.4 67.59,83.01 64.91,83.01 63.74,81.84 54.77,81.84 54.08,81.15 SW24.2
Net-(SW20-Pad2): length 15.3
  Bottom w0.25: SW20.2 66.69,63.62 64.13,63.62 63.36,62.85 54.88,62.85 SW25.4
Net-(SW21-Pad4): length 19
  Bottom w0.25: SW26.2 85.71,42.98 91,37.69 98.61,37.69 SW21.4
Net-(SW22-Pad4): length 19.8
  Bottom w0.25: SW22.4 47.46,115.27 39.88,115.27 39.6,114.99 39.6,112.21 38.25,110.86 35.22,110.86 35.03,110.67 SW27.2
Net-(SW23-Pad2): length 18.5
  Bottom w0.25: SW28.4 34.55,92.2 34.77,92.42 40.6,92.42 45.55,97.37 48.05,97.37 SW23.2
Net-(SW24-Pad4): length 19.9
  Top w0.25: v2(34.96,74.6) 35,74.56 v2(35,72.39)
  Bottom w0.25: SW24.4 48.45,78.16 45,78.16 43.77,76.93 42.44,76.93 41.4,75.89 35.44,75.89 34.96,75.41 v2(34.96,74.6) ; SW29.2 35.03,72.36 v2(35,72.39)
Net-(SW25-Pad2): length 20.1
  Top w0.25: v2(34.53,53.29) 34.53,55.87 v2(34.56,55.9)
  Bottom w0.25: SW25.2 47.93,59.15 45.1,59.15 44.88,58.93 44.88,58.28 43.64,57.04 35.4,57.04 34.56,56.2 v2(34.56,55.9) ; v2(34.53,53.29) 34.55,53.27 SW30.4
Net-(SW26-Pad4): length 17.9
  Bottom w0.25: SW31.2 66.19,42.44 67.06,41.57 67.06,39.56 67.33,39.29 76.6,39.29 77.78,40.47 SW26.4
Net-(SW27-Pad4): length 17.2
  Bottom w0.25: SW27.4 29.27,106.61 25,106.61 24.35,105.96 22.44,105.96 22.24,106.16 22.24,108.3 21.43,109.11 SW32.2
Net-(SW28-Pad2): length 17.2
  Bottom w0.25: 29.6,88.39 28.84,87.64 24.57,87.64 23.92,86.99 22.01,86.99 21.81,87.19 21.81,89.33 21,90.14 15.55,90.14
Net-(SW29-Pad4): length 17.2
  Bottom w0.25: 16,70.94 21.45,70.94 22.26,70.13 22.26,67.99 22.46,67.79 24.37,67.79 25.02,68.44 29.29,68.44 30.05,69.19
Net-(SW30-Pad2): length 17.2
  Bottom w0.25: 15.61,51.99 21.06,51.99 21.87,51.18 21.87,49.04 22.07,48.84 23.98,48.84 24.63,49.49 28.9,49.49 29.66,50.24
Net-(SW31-Pad4): length 58.1
  Top w0.25: v2(55.62,44.04) 55.62,45.98 54.8,46.8 v2(49.97,46.8)
  Bottom w0.25: v2(49.97,46.8) 40.07,46.8 37.97,44.7 33.57,44.7 33.05,44.18 30.28,44.18 29.01,45.45 27.5,45.45 27.27,45.22 16.17,45.22 15.07,46.32 15.07,48.05 14.49,48.63 11.1,48.63 10.5,49.23 SW35.2 ; v2(55.62,44.04) 55.62,42.55 57.48,40.69 SW31.4
Net-(SW33-Pad2): length 17.6
  Top w0.25: SW34.4 10.5,71.49 v2(10.5,74.8)
  Bottom w0.25: v2(10.5,74.8) 10.5,74.8 SW33.2
unconnected-(J5-PadA5): length 7.5
  Top w0.25: v2(160.3,134.23) 159.69,133.62 J5.A5
  Bottom w0.25: J5.A5 158.79,136.12 160.3,134.61 v2(160.3,134.23)
unconnected-(J5-PadB5): length 10
  Top w0.25: v2(159.89,135.9) 159.45,136.34 158.86,136.34 158.58,136.62 J5.B5
  Bottom w0.25: J5.B5 158.42,133.12 158.56,133.26 158.7,133.26 158.99,133.55 160.58,133.55 161.09,134.06 161.09,135.35 160.54,135.9 v2(159.89,135.9)
unconnected-(U3-Pad21): length 13.5
  Top w0.25: U3.21 U3.21
unconnected-(U3-Pad24): length 13.5
  Top w0.25: U3.24 U3.24
unconnected-(U3-Pad30): length 13.5
  Top w0.25: U3.30 U3.30
unconnected-(U3-Pad36): length 13.5
  Top w0.25: U3.36 U3.36

## Copper pours and planes (outline as drawn; the poured copper is in the pictures)
GND on Top, Bottom: 210.87,-19.34 -7.69,13.6 -11.47,154.02 193.8,189.39

## Text on the board
B.Silkscreen: 5V | L
F.Silkscreen: 5V | L       R | R       L | LED | R
